# Altium PCB PCB3.PcbDoc
Units mil, origin at the board's own origin, x right, y up, seen from the top; angles counter-clockwise.
Board outline 1398.01 x 2435.01 mil, 2 copper layers (Top Layer, Bottom Layer); 64 components, 55 nets, 285 pads, 102 vias.
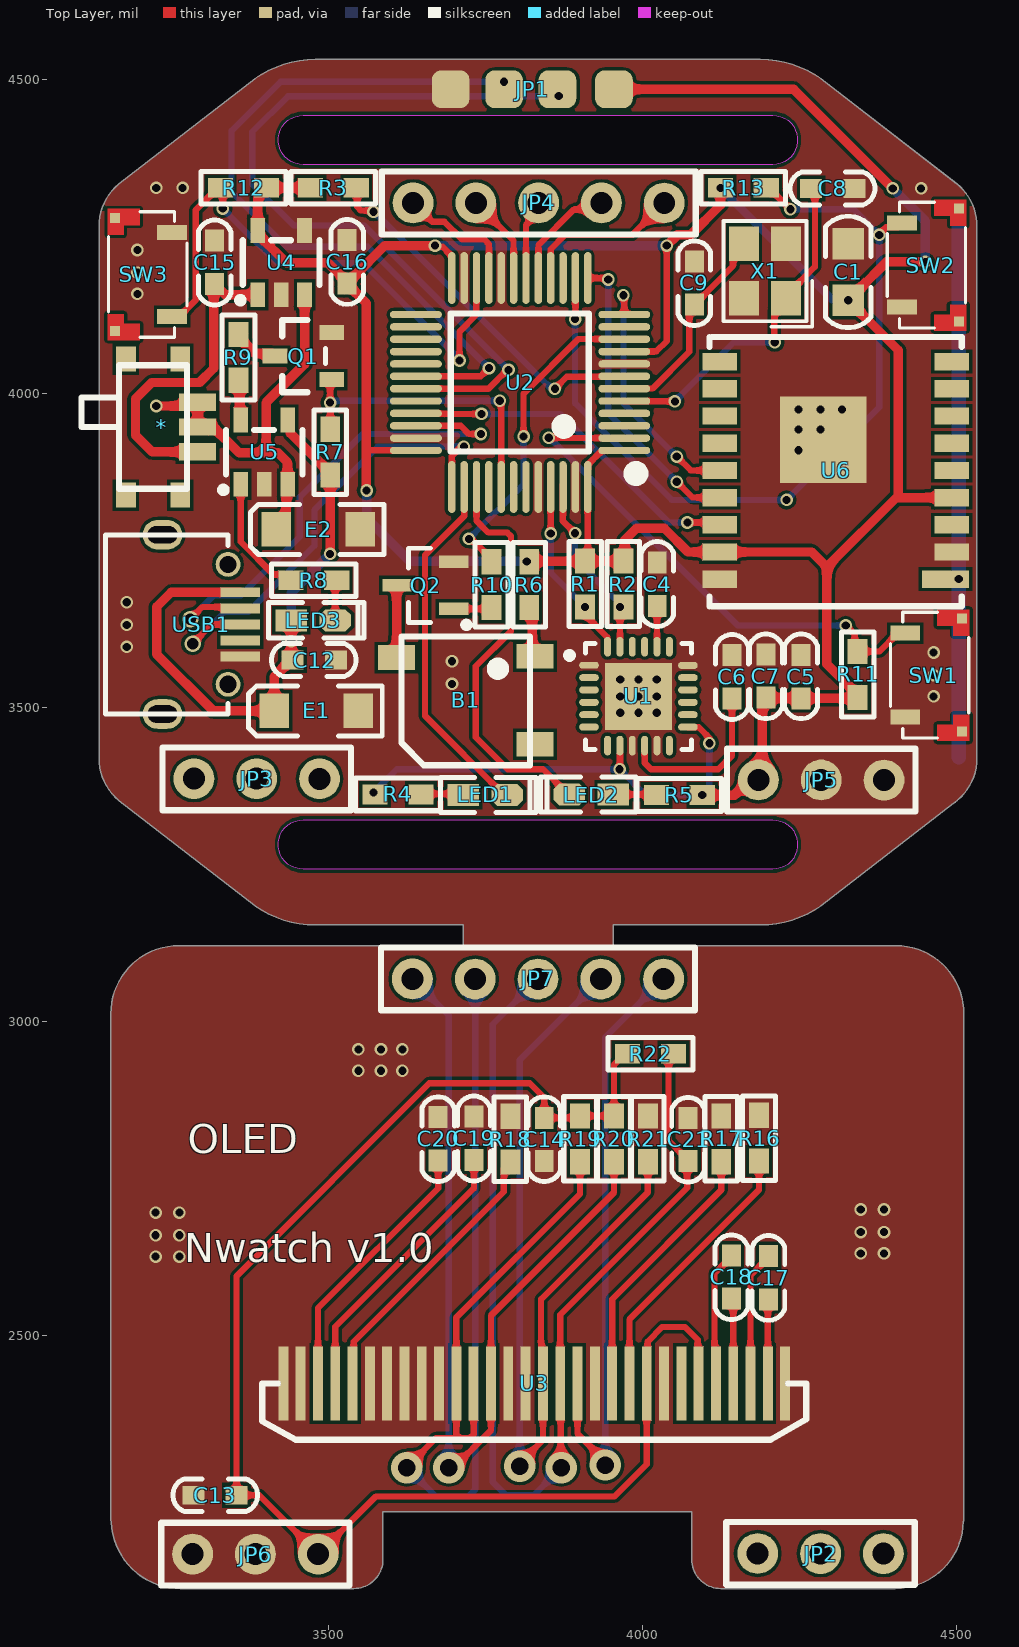
[diagram p0: Top Layer view]
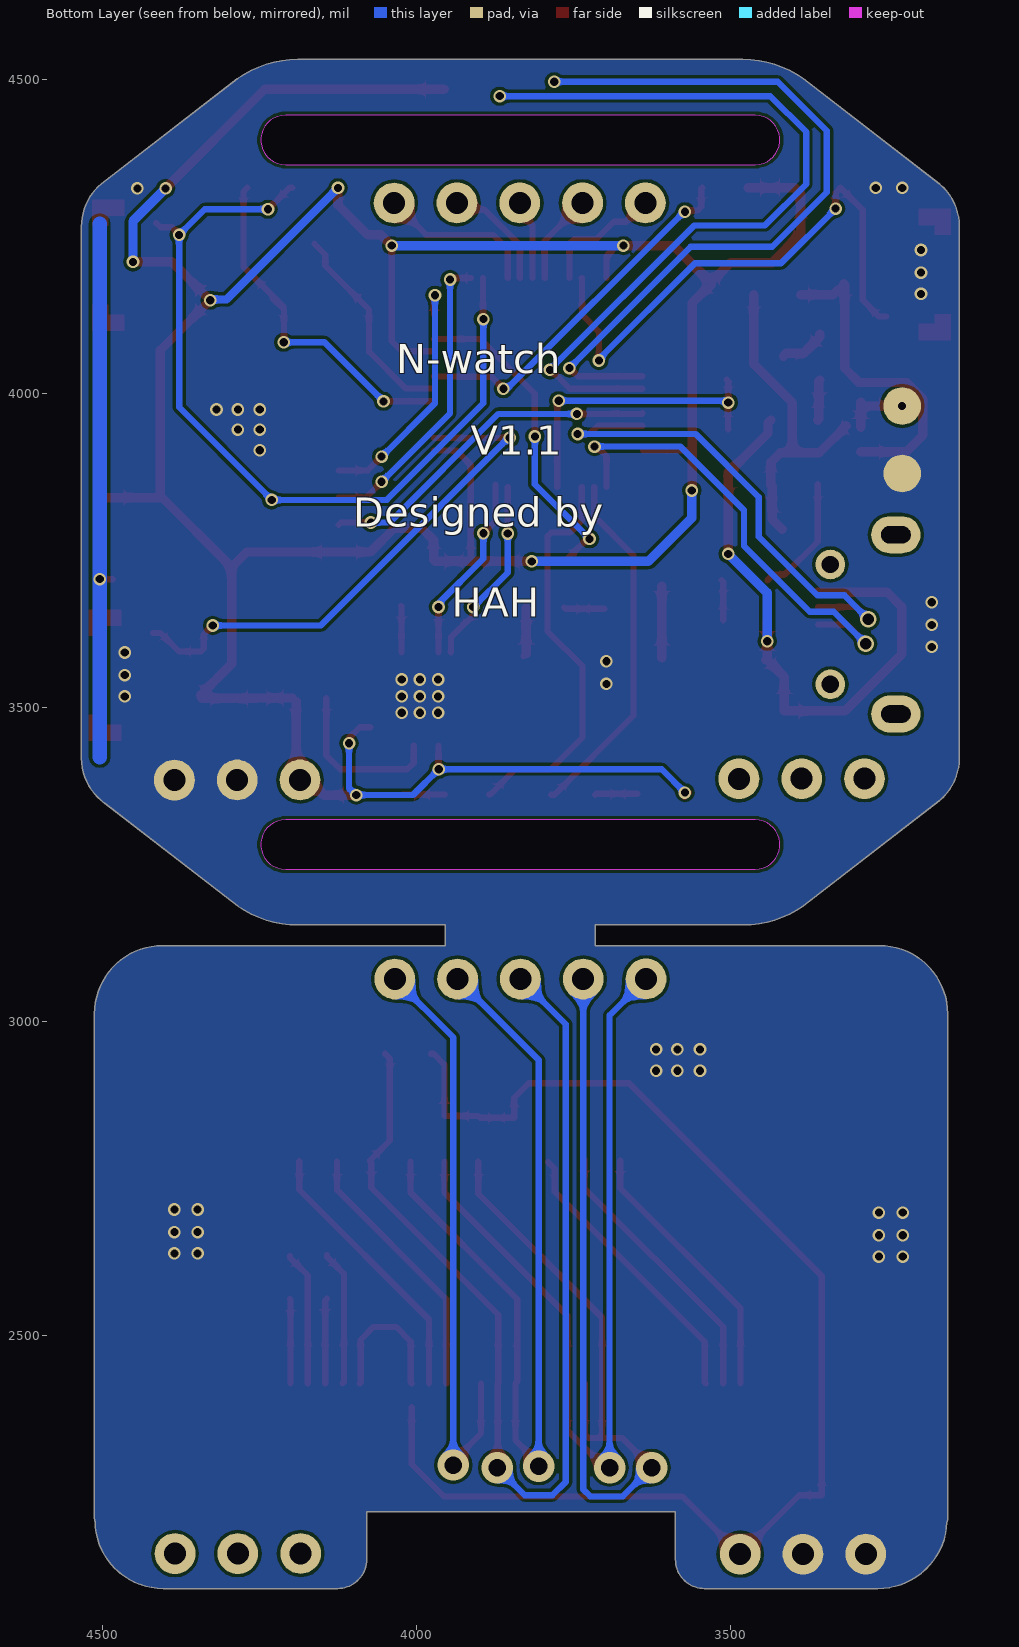
[diagram p1: Bottom Layer view, seen from below]
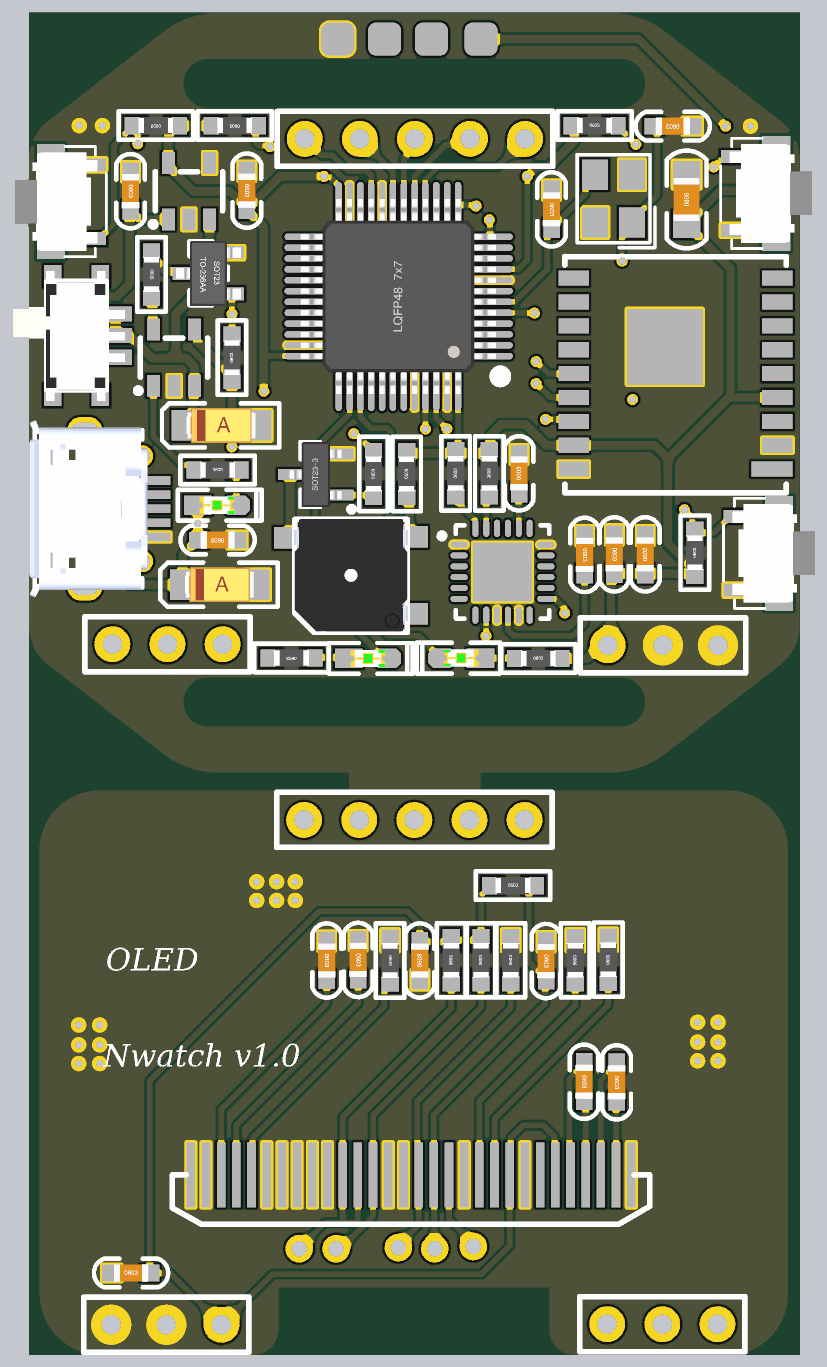
[diagram p2: 3D render of the assembled board from above, using the file's embedded part models]

## Layer stack, top to bottom
Top Solder: solder mask 0.4, Solder Resist, Dk 3.5
Top Layer: signal copper 1.4
Dielectric 1: dielectric 12.6, FR-4, Dk 4.8
Bottom Layer: signal copper 1.4
Bottom Solder: solder mask 0.4, Solder Resist, Dk 3.5

## Board outline
3154.67,2203.09 ccw(c3264.7,2207.5) 3264.7,2097.38 3540.91,2097.38 ccw(c3540.91,2143.57) 3587.1,2143.57 3587.1,2219.28 4078.85,2219.28 4078.85,2143.57 ccw(c4125.05,2143.57) 4125.05,2097.38 4402.93,2097.38 ccw(c4402.93,2205.83) 4511.37,2204.22 ccw(c4502.27,2208.43) 4512.3,2208.43 4512.3,3012.77 ccw(c4403.84,3012.77) 4403.84,3121.23 3954.01,3121.23 3954.01,3154.06 4188.31,3154.06 ccw(c4188.31,3321.57) 4284.39,3184.36 ccw(c4278.63,3192.57) 4284.75,3184.62 ccw(c4278.63,3192.57) 4284.75,3184.62 4284.77,3184.64 ccw(c4278.63,3192.57) 4284.77,3184.64 ccw(c4281.69,3188.6) 4284.78,3184.65 4284.79,3184.65 4495.86,3347.8 ccw(c4444.21,3420) 4501.02,3351.79 ccw(c4444.21,3420) 4501.02,3351.79 ccw(c4444.21,3420) 4501.07,3351.83 ccw(c4444.21,3420) 4501.14,3351.88 4501.07,3351.83 ccw(c4494.85,3359.7) 4501.53,3352.21 ccw(c4444.21,3420) 4532.98,3420 4532.98,4266.46 ccw(c4444.21,4266.46) 4501.27,4334.46 ccw(c4498.05,4330.62) 4501.13,4334.58 ccw(c4497.9,4330.74) 4500.98,4334.7 cw(c4494.83,4326.78) 4501.27,4334.46 4500.98,4334.7 ccw(c4497.9,4330.74) 4500.96,4334.71 ccw(c4497.88,4330.75) 4500.95,4334.72 4500.96,4334.71 ccw(c4497.9,4330.74) 4500.95,4334.72 ccw(c4497.88,4330.75) 4500.95,4334.72 4500.94,4334.72 cw(c4497.89,4330.74) 4500.95,4334.72 4500.94,4334.73 cw(c4497.89,4330.74) 4500.94,4334.72 4284.95,4501.68 4284.89,4501.72 4284.95,4501.68 ccw(c4278.63,4493.88) 4284.39,4502.1 ccw(c4188.31,4364.88) 4188.31,4532.39 3479.65,4532.39 ccw(c3479.65,4364.88) 3383.57,4502.1 ccw(c3389.32,4493.88) 3383.2,4501.83 ccw(c3389.32,4493.88) 3383.18,4501.81 ccw(c3389.32,4493.88) 3383.17,4501.8 3383.18,4501.81 cw(c3386.24,4497.84) 3383.2,4501.83 cw(c3386.26,4497.86) 3383.2,4501.83 ccw(c3386.26,4497.86) 3383.18,4501.81 3383.17,4501.8 3166.97,4334.7 ccw(c3170.03,4330.72) 3166.96,4334.69 3166.97,4334.7 3166.96,4334.69 ccw(c3173.1,4326.76) 3166.42,4334.24 cw(c3223.74,4266.46) 3166.46,4334.27 cw(c3223.74,4266.46) 3166.48,4334.29 3166.42,4334.24 ccw(c3223.74,4266.46) 3134.97,4266.46 3134.97,3420 ccw(c3223.74,3420) 3166.34,3352.28 ccw(c3173.11,3359.69) 3166.98,3351.75 ccw(c3170.04,3355.72) 3166.99,3351.74 3383.19,3184.63 3383.2,3184.62 ccw(c3389.33,3192.56) 3383.87,3184.15 ccw(c3479.65,3321.57) 3479.18,3154.07 ccw(c3479.67,3159.06) 3479.67,3154.04 3714.99,3154.04 3714.99,3121.23 3262.11,3121.23 ccw(c3262.11,3012.77) 3153.66,3012.77 3153.66,2207.5 ccw(c3163.68,2207.5)
cut-out: 3459.96,4364.88 cw(c3459.96,4404.25) 3459.96,4443.62 4207.99,4443.62 cw(c4207.99,4404.25) 4207.99,4364.88
cut-out: 3459.96,3242.83 cw(c3459.96,3282.2) 3459.96,3321.57 4207.99,3321.57 cw(c4207.99,3282.2) 4207.99,3242.83
cut-out: 3459.96,4443.62

## Design rules (kind name [scope] priority, off if disabled: settings)
Clearance [All] p1: gap=5 ignorepadtopadclearanceinfootprint=FALSE
HoleSize [All] p1: absolutevalues=TRUE maxlimit=100 minlimit=0 maxpercent=80.000 minpercent=20.000
HoleToHoleClearance [All] p1: gap=5 allowstackedmicrovias=TRUE
MinimumSolderMaskSliver [All] p1: minsoldermaskwidth=3
PlaneConnect [All] p1: planeconnectstyle=Direct reliefexpansion=20 reliefentries=4 reliefconductorwidth=10 reliefairgap=10
PolygonConnect [All] p1: connectstyle=Direct reliefconductorwidth=10 reliefentries=4 polygonreliefangle="90 Angle" airgapwidth=10
RoutingVias [All] p1: holewidth=13 width=20 viastyle="Through Hole" minholewidth=13 minwidth=20 maxholewidth=13 maxwidth=50
SilkToSilkClearance [All] p1: silktosilkclearance=0
SilkToSolderMaskClearance SilkToSolderMaskClearance_1 [IsPad] p1: minsilkscreentomaskgap=10 clearancetoexposedcopper=TRUE
SilkToSolderMaskClearance [IsPad] p2: minsilkscreentomaskgap=1 clearancetoexposedcopper=TRUE
SolderMaskExpansion [All] p1: expansion=4 istentingtop=FALSE
Width [All] p1: maxlimit=200 minlimit=10 preferedwidth=10
24 further rules are at their usual default settings.

## Classes and differential pairs
component class oled: C13 C14 C17 C18 C19 C20 C21 JP2 JP6 JP7 R16 R17 R18 R19 R20 R21 R22 U3
component class Sheet1: * B1 C1 C4 C5 C6 C7 C8 C9 C12 C15 C16 E1 E2 JP1 JP3 JP4 JP5 LED1 LED2 LED3 Q1 Q2 R1 R2 R3 R4 R5 R6 R7 R8 R9 R10 R11 R12 R13 SW1 SW2 SW3 U1 U2 U4 U5 U6 USB1 X1

## Components (designator, comment, footprint, x,y, rotation, side; value= is the part's Value field where it differs from the comment)
* "SS_12F23" SS_12F23 3221,3947 r270 top locked
B1 "DC5V" 蜂鸣器5020 3719,3511 r180 top locked
C1 "10uf" "C 0805" 4328,4194 r90 top locked
C4 "2.2nf" "C 0603" 4024,3697 r90 top locked
C5 "103" "C 0603" 4253,3550 r90 top locked
C6 "104" "C 0603" 4143,3549 r270 top locked
C7 "104" "C 0603" 4197,3550 r270 top locked
C8 "22pf" "C 0603" 4303,4327 r180 top locked
C9 "22pf" "C 0603" 4083,4176 r270 top locked
C12 "1uf" "C 0603" 3477,3576 r180 top locked
C13 "1uf" "C 0603" 3320,2246 r0 top locked
C14 "1uf" "C 0603" 3844,2813 r90 top locked
C15 "1uf" "C 0603" 3319,4209 r270 top locked
C16 "1uf" "C 0603" 3530,4210 r270 top locked
C17 "1uf" "C 0603" 4201,2592 r270 top locked
C18 "1uf" "C 0603" 4142,2593 r270 top locked
C19 "4.7uf" "C 0603" 3732,2814 r270 top locked
C20 "2.2uf" "C 0603" 3675,2813 r270 top locked
C21 "4.7uf" "C 0603" 4073,2812 r270 top locked
E1 "47uf" "CD A(3216)" 3481,3495 r0 top locked
E2 "10uF/6.3V" "CD A(3216)" 3484,3784 r0 top locked
JP1 "HDR-1X4" uart_pin 4015,4605 r180 top locked
JP2 "HDR-1X3" OLED_3PIN 4128.94,2088.15 r0 top locked
JP3 "HDR-1X3" OLED_3PIN 3541.06,3451.85 r180 top locked
JP4 "HDR-1X5" OLED_5PIN 4100.06,4368.85 r180 top locked
JP5 "HDR-1X3" OLED_3PIN 4440.06,3449.85 r180 top locked
JP6 "HDR-1X3" OLED_3PIN 3228.94,2087.15 r0 top locked
JP7 "HDR-1X5" OLED_5PIN 3568.94,3003.15 r0 top locked
LED1 "红色" "LED 0603G" 3750,3361 r0 top locked
LED2 "红色" "LED 0603G" 3919,3362 r180 top locked
LED3 "红色" "LED 0603G" 3476,3639 r0 top locked
Q1 "Nmos" NMOS 3460.28,4060 r0 top locked
Q2 "BC817-40npn" SOT23-3N 3655,3695 r90 top locked
R1 "2.2K" "R 0603" 3909,3697 r90 top locked
R2 "2.2K" "R 0603" 3970,3697 r90 top locked
R3 "1K" "R 0603" 3508,4328 r180 top locked
R4 "10K" "R 0603" 3611,3362 r180 top locked
R5 "10K" "R 0603" 4059,3361 r0 top locked
R6 "22" "R 0603" 3820,3696 r90 top locked
R7 "4.7K" "R 0603" 3503,3907 r90 top locked
R8 "1K" "R 0603" 3477,3703 r0 top locked
R9 "2K" "R 0603" 3357,4058 r270 top locked
R10 "1K" "R 0603" 3760,3696 r90 top locked
R11 "1K" "R 0603" 4343,3553 r90 top locked
R12 "1K" "R 0603" 3365,4328 r180 top locked
R13 "1K" "R 0603" 4161,4328 r0 top locked
R16 "4.7K" "R 0603" 4186,2814.5 r90 top locked
R17 "4.7K" "R 0603" 4126,2813.5 r90 top locked
R18 "910K" "R 0603" 3790,2813 r270 top locked
R19 "1K" "R 0603" 3901,2813.5 r90 top locked
R20 "1K" "R 0603" 3955,2813.5 r90 top locked
R21 "1K" "R 0603" 4009,2813.5 r90 top locked
R22 "1K" "R 0603" 4013,2949 r0 top locked
SW1 "3x6x5" SB-2*4*3.5 4470,3552 r270 top locked
SW2 "3x6x5" SB-2*4*3.5 4465,4205 r270 top locked
SW3 "3x6x5" SB-2*4*3.5 3200,4190 r90 top locked
U1 "MPU-6050_C24112" MPU6050 3989.02,3517.91 r270 top locked
U2 "STM32F103C8T6" "LQFP48 7X7_M" 3805,4018 r90 top locked
U3 "0.96-OLED-30Pin_JX" SSD1306-30PIN_JX 4227.56,2424.15 r180 top locked
U4 "TPS78233DDCT" SOT-23-5_L3.0-W1.7-P0.95-LS2.8-BR 3423,4209 r270 top locked
U5 "XT4054K421MR-G" SOT-23-5_L3.0-W1.7-P0.95-LS2.8-BR 3396,3907 r270 top locked
U6 "ESP01F" ESP-01F 4308,3825 r180 top locked
USB1 "USB-5P" MICRO-USB 3340.33,3632.72 r90 top locked
X1 "8M" OSC-SMD_4P-L3.2-W2.5-BL 4200,4191 r90 bottom locked

## Footprints (in the part's own frame and the unit in brackets; to place one, negate y for a bottom-side part, rotate by r counter-clockwise, add the part's x,y. Pads: shape width x height; smd on the part's side, far side on the other; paste and mask are expansions set on the pad)
"C 0603" [mil] "无极性贴片电容"
  rect 35x30 smd: 1(-35,0) 2(34,0)
  silkscreen extent -67,-26 67,26, body extent -31,-16 31,16, height 32
"C 0805" [mil] "无极性贴片电容"
  rect 50x50 smd: 1(-45,0) 2(45,0)
  silkscreen extent -89,-36 89,36, body extent -39,-24 39,24, height 20
"CD A(3216)" [mm] "长3.2mm，宽1.6mm，厚1.6mm"
  rect 1.2x1.4 smd: 1(-1.7,0) 2(1.7,0)
  silkscreen extent -2.74,-1.02 2.67,1.02, body extent -1.6,-0.8 1.6,0.8, height 1.6
ESP-01F [mm]
  rect 1.9x0.7 smd: 1(-4.445,3.054)
  rect 1.4x0.7 smd: 2(-4.695,1.954) 3(-4.695,0.854) 4(-4.695,-0.246) 5(-4.695,-1.346) 6(-4.695,-2.446) 7(-4.695,-3.546) 8(-4.695,-4.646) 9(-4.695,-5.746) 10(4.695,-5.746) 11(4.695,-4.646) 12(4.695,-3.546) 13(4.695,-2.446) 14(4.695,-1.346) 15(4.695,-0.246) 16(4.695,0.854) 17(4.695,1.954) 18(4.695,3.054)
  rect 3.5x3.5 smd: 19(0.493,-2.579)
  silkscreen extent -5.1,-6.75 5.1,4.15
"LED 0603G" [mil] "绿色0603LED"
  rect 50x35 smd: 1(-35,0.26)
  oct 50x35 smd: 2(35,0.26)
  silkscreen extent -71,-28 81,28, body extent -31,-16 32,16, height 24
"LQFP48 7X7_M" [mm] "48脚，体宽7x7mm，脚距0.5mm"
  oval 0.3x2.1 smd: 1(-2.75,-4.227) 2(-2.25,-4.227) 3(-1.75,-4.227) 4(-1.25,-4.227) 5(-0.75,-4.227) 6(-0.25,-4.227) 7(0.25,-4.227) 8(0.75,-4.227) 9(1.25,-4.227) 10(1.75,-4.227) 11(2.25,-4.227) 12(2.75,-4.227) 25(2.75,4.202) 26(2.25,4.202) 27(1.75,4.202) 28(1.25,4.202) 29(0.75,4.202) 30(0.25,4.202) 31(-0.25,4.202) 32(-0.75,4.202) 33(-1.25,4.202) 34(-1.75,4.202) 35(-2.25,4.202) 36(-2.75,4.202)
  oval 2.1x0.3 smd: 13(4.227,-2.75) 14(4.227,-2.25) 15(4.227,-1.75) 16(4.227,-1.25) 17(4.227,-0.75) 18(4.227,-0.25) 19(4.227,0.25) 20(4.227,0.75) 21(4.227,1.25) 22(4.227,1.75) 23(4.227,2.25) 24(4.227,2.75) 37(-4.227,2.75) 38(-4.227,2.25) 39(-4.227,1.75) 40(-4.227,1.25) 41(-4.227,0.75) 42(-4.227,0.25) 43(-4.227,-0.25) 44(-4.227,-0.75) 45(-4.227,-1.25) 46(-4.227,-1.75) 47(-4.227,-2.25) 48(-4.227,-2.75)
  silkscreen extent -3.93,-4.95 2.79,2.79, body extent -4.5,-4.5 4.5,4.5, height 1.45
MICRO-USB [mm]
  rect 0.4x1.6 smd: 1(1.3,-0.5) 2(0.65,-0.5) 3(0,-0.5) 4(-0.65,-0.5) 5(-1.3,-0.5)
  oval 1.2x1.6 / inner oval 1.5x2 / far side oval 1.5x2 hole 0.7 slot 1.2 at 90 deg: 6(-3.625,2.65) 6(3.625,2.65)
  round 1 / inner round 1 / far side round 1.2 hole 0.7: 6(-2.425,0) 6(2.425,0)
  silkscreen extent -3.62,0 3.62,4.95, body extent -4.1,-0.23 4.1,5.2, height 2.68
MPU6050 [mm]
  oval 0.28x0.796 smd: 1(-1.265,-1.873) 2(-0.765,-1.873) 3(-0.265,-1.873) 4(0.235,-1.873) 5(0.735,-1.873) 6(1.235,-1.873) 13(1.235,2.127) 14(0.735,2.127) 15(0.235,2.127) 16(-0.265,2.127) 17(-0.765,2.127) 18(-1.257,2.127)
  oval 0.796x0.28 smd: 7(1.985,-1.123) 8(1.985,-0.623) 9(1.985,-0.123) 10(1.985,0.377) 11(1.985,0.877) 12(1.985,1.377) 19(-2.015,1.377) 20(-2.015,0.877) 21(-2.015,0.377) 22(-2.015,-0.123) 23(-2.015,-0.623) 24(-2.015,-1.123)
  rect 2.7x2.7 smd: 25(-0.002,0.127)
  silkscreen extent -2.15,-2.92 2.15,2.28
NMOS [mm]
  rect 1x0.6 smd: 1(1.15,-0.95) 2(1.15,0.95) 3(-1.15,0)
  silkscreen extent -0.85,-1.46 0.9,1.46, body extent -1.5,-1.5 1.5,1.5, height 1.3
OLED_3PIN [mil]
  round 65 hole 35: 1(55,65) 2(155.06,64.85) 3(255.06,64.85)
  silkscreen extent 5,15 305,115
OLED_5PIN [mil]
  round 65 hole 35: 1(65,65) 2(165.06,64.85) 3(265.06,64.85) 4(365.06,64.85) 5(465.06,64.85)
  silkscreen extent 15,15 515,115
OSC-SMD_4P-L3.2-W2.5-BL [mm]
  rect 1.4x1.2 smd far side: 1(-0.986,0.736) 2(1.214,0.736) 3(1.214,-0.964) 4(-0.986,-0.964)
"R 0603" [mil] "1/10W贴片电阻"
  rect 40x31.5 smd: 1(-36.5,0) 2(36.5,0)
  silkscreen extent -68,-26 68,26, body extent -31,-16 32,16, height 16
SB-2*4*3.5 [mm] "贴片侧贴轻触开关"
  rect 0.4x0.4 smd: 0(-2.286,1) 0(2.286,1)
  rect 0.6x1.2 smd: 1(-1.7,-1.3) 2(1.7,-1.3)
  Top Layer region: -2.65,0 -2.65,1.3 -1.6,1.3 -1.6,0.65 -2,0.65 -2,0
  Top Layer region: 2.65,0 2.65,1.3 1.6,1.3 1.6,0.65 2,0.65 2,0
  silkscreen extent -2.54,-1.9 2.54,1.27, body extent -2.27,-1.5 2.27,2.29, height 1.8
SOT23-3N [mm] "3x1.3x1mm(长宽高)"
  rect 0.5x1.2 smd: 1(-0.95,-1.143) 2(0.95,-1.143) 3(0,1.143)
  silkscreen extent -1.72,-1.78 1.5,0.7, body extent -1.5,-1.2 1.5,1.2, height 1.05
SOT-23-5_L3.0-W1.7-P0.95-LS2.8-BR [mm]
  rect 1x0.6 smd: 1(1.3,-0.899) 2(1.3,0.05) 3(1.3,1) 4(-1.3,1.001) 5(-1.3,-0.899)
  silkscreen extent -0.9,-1.73 1.65,1.6
SS_12F23 [mm] "七脚小拨动开关"
  rect 1x0.8 smd: 0(-2.75,1.1) 0(-2.75,-1.1) 0(2.75,1.1) 0(2.75,-1.1)
  rect 0.7x1.5 smd: 1(1,1.8) 2(0,1.8) 3(-1,1.8)
  silkscreen extent -2.5,-2.9 2.5,1.38, body extent -2.97,-2.96 3.03,2.24, height 1.4
SSD1306-30PIN_JX [mm]
  rect 0.4x3 smd: 1(-0.002,0.004) 2(0.699,0.004) 3(1.398,0.004) 4(2.099,0.004) 5(2.798,0.004) 6(3.498,0.004) 7(4.199,0.004) 8(4.898,0.004) 9(5.598,0.004) 10(6.299,0.004) 11(6.998,0.004) 12(7.698,0.004) 13(8.399,0.004) 14(9.098,0.004) 15(9.798,0.004) 16(10.499,0.004) 17(11.198,0.004) 18(11.898,0.004) 19(12.599,0.004) 20(13.298,0.004) 21(13.998,0.004) 22(14.698,0.004) 23(15.398,0.004) 24(16.098,0.004) 25(16.799,0.004) 26(17.498,0.004) 27(18.198,0.004) 28(18.899,0.004) 29(19.598,0.004) 30(20.298,0.004)
  silkscreen extent -0.85,0 21.15,2.29
uart_pin [mil]
  rrect50% 60x60 smd: 1(60,120) 2(150,120) 3(235,120) 4(320,120)
蜂鸣器5020 [mm] "无源蜂鸣器"
  rect 1.5x1 smd: 1(-2.8,-1.8) 2(2.8,-1.75) 3(-2.8,1.75)
  silkscreen extent -2.6,-2.6 2.6,2.6, body extent -2.6,-2.63 2.6,2.57, height 2

## Part data
B1: library part BEEP, "蜂鸣器", BOM名称=蜂鸣器, 学习资源=https://lmdzstyle.taobao.com/, 版权归属=黎明电子style
C1 C4 C5 C6 C7 C8 C9 C12 C13 C14 C15 C16 C17 C18 C19 C20 C21: library part C, "无极性贴片电容", BOM名称=无极性贴片电容, 学习资源=https://lmdzstyle.taobao.com/, 版权归属=黎明电子style
E1 E2: library part C-CD, "贴片钽电容", BOM名称=贴片钽电容, 学习资源=https://lmdzstyle.taobao.com/, 版权归属=黎明电子style
JP1: library part "Header 4", "4P接插件", BOM名称=4P接插件, 学习资源=https://lmdzstyle.taobao.com/, 版权归属=黎明电子style
JP2 JP3 JP5 JP6: library part "Header 3", "3P接插件", BOM名称=3P接插件, 学习资源=https://lmdzstyle.taobao.com/, 版权归属=黎明电子style
JP4 JP7: library part "Header 5", "5P接插件", BOM名称=5P接插件, 学习资源=https://lmdzstyle.taobao.com/, 版权归属=黎明电子style
LED1 LED2 LED3: library part LED-SMD, "贴片LED", BOM名称=贴片LED, 学习资源=https://lmdzstyle.taobao.com/, 版权归属=黎明电子style
Q1: library part 9013-SMD, "低频放大-NPN型", BOM名称=低频放大-NPN型, 学习资源=https://lmdzstyle.taobao.com/, 属性="50V 0.5A 0.625W", 版权归属=黎明电子style
Q2: library part 8050-SMD, "高频放大-NPN型", BOM名称=高频放大-NPN型, 学习资源=https://lmdzstyle.taobao.com/, 属性="40V 1.5A 1W 100MHZ", 版权归属=黎明电子style
R1 R2 R3 R4 R5 R6 R7 R8 R9 R10 R11 R12 R13 R16 R17 R18 R19 R20 R21 R22: library part R, "贴片电阻", BOM名称=贴片电阻, 学习资源=https://lmdzstyle.taobao.com/, 版权归属=黎明电子style
SW1 SW2 SW3: library part "TSW 3x6", "3x6轻触开关", BOM名称=3x6轻触开关, 学习资源=https://lmdzstyle.taobao.com/, 版权归属=黎明电子style
U1: BOM_Manufacturer=InvenSense, BOM_Manufacturer Part=MPU-6050, BOM_Supplier=LCSC, BOM_Supplier Part=C24112, image=//image.lceda.cn/szlcsc/C24112.jpg, sourceId=1T5FDZYC8, spicePre=U, spiceSymbolName=MPU-6050_C24112, timeStamp=1462265206
U2: "Flaah:64/RAM:20/IO:36", BOM名称=32位STM单片机, 学习资源=https://lmdzstyle.taobao.com/, 版权归属=黎明电子style
USB1: "微型USB母座", BOM名称=微型USB母座, 学习资源=https://lmdzstyle.taobao.com/, 版权归属=黎明电子style
X1: library part XTAL-4, "4脚晶振", BOM名称=4脚晶振, 学习资源=www.ooocke.com, 版权归属=源创客
U3: BOM_Supplier=LCSC, spicePre=U

## Free pads (board coordinates)
  round 60 smd far side: 2(3226.09,3980.59) 3(3226,3873)

## Via types
v1: diameter 20, hole 13, Top Layer to Bottom Layer, 95 vias
v2: diameter 50, hole 28, Top Layer to Bottom Layer, 5 vias
v3: diameter 25.98, hole 17.99, Top Layer to Bottom Layer, 2 vias

## Nets (pads, with @x,y where several pads share a name; then routed paths per layer and width w, separated by ;. In a path a pad name is that pad's centre, name@x,y a point inside that pad or via, vN(x,y) a via of type N, cw(c..) or ccw(c..) an arc to the next point about the centre after c; other vN are vias at no path point)
3V3_A: C1.1 C5.1 C7.2 C16.2 JP1.1 JP5.3 R1.2 R2.2 R3.2 R4.2 R5.2 R6.2 R11.1 R12.1 R13.1 U1.8 U1.13 U2.1 U2.9 U2.24 U2.36 U2.48 U4.5 U6.4 U6.17 | length 5834.7
  Top Layer w10: 3560.52,3910.08 U2.36@3638.74,3910.08 ; v1(3670,4236) 3671.91,4234.09 3682.01,4234.09 3696.73,4219.36 U2.24 ; R1.2 3913.27,3737.77 U2.48 3913.27,3887.02 3935.98,3909.73 U2.1 ; v1(3964,3402) 3964.47,3402.47 U1.8 ; U2.9 3971.76,4067.56 4022.62,4067.56 4039,4083.94 v1(4039,4236) ; U1.13 4072.93,3469.09 4089.91,3469.09 4106.91,3452.09 v1(4106.91,3443.5) ; 4124.5,4301.5 4125,4301 ; R13.1@4124.5,4323.75 v1(4124.5,4328)
  Top Layer w13: v1(3572,3365) 3567.5,3365 3572.5,3360 R4.2 ; JP5.3@4170.93,3385 JP5.3 JP5.3@4191,3391 ; C7.2@4191,3510 C7.2 C7.2@4197.5,3515.5 ; C5.1@4252.5,3515.5 C5.1 ; R11.1@4341.5,3515 R11.1 R11.1@4343,3520.75
  Top Layer w15: R3.2 R12.1 3397.25,4328 3387.59,4318.35 U4.5 3387.59,4252.31 3392.91,4247 3395,4247 3433,4209 3499,4209 3522,4186 3522.5,4186 C16.2@3530,4178.5 ; C16.2@3530,4173.5 3537.5,4166 3539,4166 3560.52,4144.48 3560.52,3910.08 3560.52,3846.48 v1(3561,3846) ; C16.2 C16.2@3530,4178.5 ; v1(3670,4236) 3590,4236 3540,4186 3537.5,4186 C16.2@3530,4178.5 ; v1(3816,3733) 3819.5,3733 R6.2 3821,3733.5 R1.2 R2.2 3972.21,3735.71 3972.21,3767.21 3991,3786 4035,3786 4072.93,3748.07 U6.17 4269.93,3748.07 4289,3729 4294,3724 ; JP1.1 4241,4485 v1(4399,4327) ; v1(4039,4236) 4056,4253 4077,4253 4125,4301 ; v1(4095.5,3361) 4146.93,3361 JP5.3@4170.93,3385 ; 4124.5,4301.5 R13.1@4124.5,4323.75 ; JP5.3@4191,3391 C7.2@4191,3510 ; C7.2@4197.5,3515.5 C5.1@4252.5,3515.5 ; C5.1 R11.1@4341.5,3515 ; R11.1@4343,3520.75 4294,3569.75 4294,3724 ; 4407.69,3837.69 4294,3724 ; v1(4451,4210) 4389,4210 4345.5,4166.5 v1(4328,4149) 4407.69,4069.31 4407.69,3834.69 U6.4
  Bottom Layer w10: v1(3572,3365) 3609,3402 v1(3964,3402) 4005,3361 4096.06,3361 4106.91,3371.86 v1(4106.91,3443.5)
  Bottom Layer w13: v1(4124.5,4328) 4302.16,4150.34 4326.66,4150.34 v1(4328,4149)
  Bottom Layer w15: v1(3561,3846) 3561,3802.25 3630.25,3733 v1(3816,3733) ; v1(3670,4236) v1(4039,4236) ; v1(4399,4327) 4451,4275 v1(4451,4210)
3V3_A2: C13.2 C14.2 JP6.3 R19.2 R20.2 R22.1 U3.6 U3.9 | length 2307.9
  Top Layer w10: R22.1 3972.25,2949 3955,2931.75 R20.2 R19.2 3898,2847 C14.2 3844,2879 3821,2902 3661,2902 3354,2595 C13.2 3390,2246 JP6.3 3576,2244 3956,2244 4007.15,2295.15 U3.9@4007.15,2386 ; U3.9 4008.65,2425.5 4008.65,2490.65 4032,2514 4068,2514 4088.34,2493.66 4088.34,2425.49 U3.6
BUZZER: R10.2 U2.10 | length 517.3
  Top Layer w10: v1(3724,3769) 3727.75,3769 3760,3736.75 R10.2 ; v1(3811,3932) 3811,4000 3898.24,4087.24 3971.07,4087.24 U2.10
  Bottom Layer w10: v1(3724,3769) 3811,3856 v1(3811,3932)
CHARGE_EN: Q1.1 R7.2 U2.41 | length 491.1
  Top Layer w10: R7.2 3503.29,3943.79 3503.29,3985.71 v1(3503,3986) 3503,4017.47 3503.29,4017.76 3502,4019.05 Q1.1 ; v1(3773,3989) 3775.47,3986.53 U2.41
  Bottom Layer w10: v1(3503,3986) 3506,3989 v1(3773,3989)
CS: JP4.5 U2.21 | length 202
  Top Layer w10: JP4.5 3635.54,4304 3665.57,4273.97 3685.03,4273.97 3713,4246 3748.29,4246 3755.79,4238.5 U2.21
D0: JP4.1 U2.16 | length 257.1
  Top Layer w10: U2.16 3854.21,4230.21 3877,4253 3984.21,4253 JP4.1
D1: JP4.2 U2.17 | length 180.7
  Top Layer w10: U2.17 3834.87,4184.76 3834.87,4237.09 3891.26,4293.48 3924.48,4293.48 JP4.2
DC: JP4.4 U2.19 | length 144.5
  Top Layer w10: JP4.4 3795.16,4243.84 U2.19
ESP_RST: U2.33 U6.16 | length 557.2
  Top Layer w10: U2.33 3639.8,3969 3640.8,3968 v1(3744,3968) ; v1(4072,3795) 4119.54,3795 U6.16
  Bottom Layer w10: v1(3744,3968) 3869,3968 4042,3795 v1(4072,3795)
ESP_RXD: U2.13 U6.15 | length 479.5
  Top Layer w10: U2.13 3943.58,4184.42 v1(3946,4182) ; v1(4055,3860) 4080.31,3834.69 U6.15
  Bottom Layer w10: v1(3946,4182) 3946,3969 v1(4055,3860)
ESP_TXD: U2.12 U6.14 | length 400.8
  Top Layer w10: v1(3970,4157) 3971.42,4155.58 U2.12 ; v1(4055,3900) 4077.01,3877.99 U6.14
  Bottom Layer w10: v1(3970,4157) 3970,3985 v1(4055,3900)
GND: C1.2 C4.2 C5.2 C6.1 C7.1 C8.1 C9.1 C12.1 C13.1 C14.1 C15.1 C16.1 C19.1 C20.1 C21.1 E1.2 E2.2 JP1.4 JP5.1 JP5.2 JP6.1 JP6.2 pad.3 Q1.2 Q2.2 R16.2 R17.2 R18.1 R21.2 SW1.2 SW2.2 SW3.2 U1.1 U1.9 U1.11 U1.18 U1.25 U2.8 U2.20 U2.23 U2.35 U2.44 U2.47 U3.1 U3.8 U3.12 U3.16 U3.17 U3.21 U3.22 U3.23 U3.24 U3.25 U3.29 U3.30 U4.2 U4.4 U5.2 U6.2 U6.18 U6.19 USB1.5 X1.2 X1.4
  other v1: 3225,2626 3263,2626 4348,2631 4385,2631 3225,2660 3263,2660 4348,2665 4385,2665 3225,2696 3263,2696 4348,2701 4385,2701 3548,2922 3584,2922 3618,2922 3548,2956 3584,2956 3618,2956 3965,3492 3994,3492 4023,3492 3965,3518 3994,3518 4023,3518 4464,3518 3697,3538 3965,3545 3994,3545 4023,3545 4464,3552 3697,3574 4464,3588 3179,3597 3179,3632 3179,3668 4249,3910 4249,3943 4284,3943 4249,3975 4284,3975 4318,3975 3196,4159 3196,4193 3196,4229 4444,4327 3226,4328 3268,4328
KEY1: R11.2 SW1.1 U2.2 | length 854.9
  Top Layer w10: v1(3851,3930) 3851.29,3929.71 3971.13,3929.71 U2.2 ; v1(4324,3631) 4338.36,3616.64 4338.36,3594.14 R11.2 4377.58,3589.5 4407.01,3618.93 SW1.1
  Bottom Layer w10: v1(3851,3930) 3853,3930 4152,3631 v1(4324,3631)
KEY2: R13.2 SW2.1 U2.14 | length 1339.5
  Top Layer w10: v1(3893,4119) 3893.58,4119.58 U2.14 ; R13.2 4201.75,4328 4235.75,4294 v1(4236,4294) ; v1(4377.5,4253) 4377.5,4254.26 4388.36,4265.12 4407.01,4265.12 SW2.1
  Bottom Layer w10: v1(3893,4119) 3893,3985 4047,3831 v1(4230,3831) 4377.5,3978.5 v1(4377.5,4253) 4336.5,4294 v1(4236,4294)
KEY3: R12.2 SW3.1 U2.22 | length 899.4
  Top Layer w10: SW3.1 3262.99,4123.07 3269.8,4129.88 3269.8,4130.18 3289,4149.38 3289,4292.75 3324.25,4328 3332,4320.25 v1(3332,4295) ; v1(3709,4053) 3709,4099 3735.76,4125.76 3735.76,4184.07 U2.22
  Bottom Layer w10: v1(3332,4295) 3419,4208 3556,4208 3709,4055 v1(3709,4053)
LEDBULE: LED1.2 U2.38 | length 573.5
  Top Layer w10: U2.38 3716.42,3805.42 3654,3743 3654,3487 3779.74,3361.26 LED1.2
LEDRED: LED2.2 U2.39 | length 649
  Top Layer w10: U2.39 3736.1,3797.9 3755,3779 3785.14,3779 3791,3773.14 3791,3622 3735,3566 3735,3453 3786,3402 3842.06,3402 3882.32,3361.74 LED2.2
Net*_1: *.1 C15.2 U4.1 | length 522.2
  Top Layer w15: *.1 3219.37,3907.63 3193,3934 3193,3992 3219,4018 3295,4018 3317.59,4040.59 3317.59,4173.59 C15.2 ; C15.2@3319,4172.5 3326.5,4165 3329,4165 3336.18,4157.82 U4.1
NetB1_1: B1.1 R6.1 | length 79.4
  Top Layer w10: B1.1@3825,3586.1 B1.1
  Top Layer w15: B1.1@3825,3586.1 R6.1@3825,3659.5
NetB1_2: B1.2 Q2.3 | length 115.6
  Top Layer w10: Q2.3@3608.76,3693.76 Q2.3
  Top Layer w15: B1.2 Q2.3@3608.76,3693.76
NetC4_1: C4.1 U1.20 | length 74
  Top Layer w10: U1.20@4023.53,3588.24 4023.53,3661.53 C4.1
NetC6_2: C6.2 U1.10 | length 271.1
  Top Layer w10: U1.10 4004.04,3439.56 4004.04,3411.96 4014,3402 4121,3402 4143,3424 C6.2
NetC8_2: C8.2 U2.5 X1.1 | length 576.7
  Top Layer w10: U2.5 3971.89,3988 v1(4052,3988) ; X1.1@4210.34,4137.51 4227,4154.16 4275,4202.17 4275,4322 C8.2@4269,4328 ; v1(4211,4082) 4210.34,4082.66 4210.34,4133.57 X1.1
  Bottom Layer w10: v1(4052,3988) 4146,4082 v1(4211,4082)
NetC9_2: C9.2 U2.6 X1.3 | length 337.3
  Top Layer w10: U2.6 3971.76,4008.5 4016.5,4008.5 4075,4067 4075,4134 4092.94,4151.94 4092.94,4154.44 4093,4154.5 4095.5,4154.5 4144.72,4203.72 4144.72,4221.5 X1.3
NetC17_1: C17.1 U3.3 | length 214.8
  Top Layer w10: U3.3 4172.51,2596.01 4201,2624.5 C17.1
NetC17_2: C17.2 U3.2 | length 134.4
  Top Layer w10: U3.2 4200.06,2557.06 C17.2
NetC18_1: C18.1 U3.5 | length 216.2
  Top Layer w10: U3.5 4115,2426.39 4115,2598.5 4142,2625.5 C18.1
NetC18_2: C18.2 U3.4 | length 136.2
  Top Layer w10: C18.2 4144.94,2556.06 U3.4
NetC19_2: C19.2 U3.27 | length 447.5
  Top Layer w10: U3.27 3511.09,2514.09 3732,2735 C19.2
NetC20_2: C20.2 U3.28 | length 434.3
  Top Layer w10: U3.28 3483.52,2543.52 3675,2735 C20.2
NetC21_2: C21.2 JP7.3 R22.2 U3.14 | length 1726.7
  Top Layer w10: v2(3871,2290) 3870.18,2290.82 3870.18,2423.18 U3.14 3869.36,2533.36 4071.5,2735.5 4071.5,2775.5 4073,2777 4073,2779.5 4042,2810.5 4042,2941.5 R22.2
  Bottom Layer w10: JP7.3 3762,2996 3762,2267 3783,2246 3827,2246 v2(3871,2290)
NetJP7_1: JP7.1 R20.1 U3.18 | length 1411.5
  Top Layer w10: v2(3692,2290) 3699.76,2290 3759.12,2349.36 U3.18 3759.12,2532.12 3955,2728 R20.1
  Bottom Layer w10: JP7.1 3692,3010.09 v2(3692,2290) 3698,2290 v2@3700,2292
NetJP7_2: JP7.2 R19.1 U3.19 U3.20 | length 1682.5
  Top Layer w10: v2(3625,2290) 3672.14,2337.14 3709.86,2337.14 ; U3.19 3731.55,2343 3725.69,2337.14 3709.86,2337.14 ; JP7.2@3731.55,3065.55 JP7.2 ; R19.1 3901,2726 3704,2529 U3.20 3704,2343 3709.86,2337.14
  Bottom Layer w10: v2(3625,2290) 3671,2244 3723,2244 3734,2255 JP7.2
NetJP7_4: JP7.4 R21.1 U3.15 | length 1401.3
  Top Layer w10: v2(3805,2292) 3805,2297 3841.8,2333.8 U3.15 3838.93,2426.87 3838.93,2557.93 4009,2728 R21.1
  Bottom Layer w10: v2(3805,2292) 3805,2939 JP7.4
NetJP7_5: JP7.5 U3.13 | length 960.8
  Top Layer w10: U3.13 3896.91,2344.09 3941,2300 v2(3941,2294)
  Bottom Layer w10: v2(3941,2294) 3941,2975 JP7.5
NetLED1_1: LED1.1 R4.1 | length 68.2
  Top Layer w10: R4.1@3647.5,3363 3713.26,3363 LED1.1
NetLED2_1: LED2.1 R5.1 | length 68.8
  Top Layer w10: LED2.1 4021.76,3361.74 R5.1
NetLED3_2: LED3.2 R8.2 | length 64.8
  Top Layer w10: LED3.2 3511,3700.5 R8.2
NetQ1_2: Q1.3 R9.1 | length 74.8
  Top Layer w15: R9.1 3357,4090.25 3382.94,4064.31 3410.69,4064.31 Q1.3
NetQ2_1: Q2.1 R10.1 | length 64.8
  Top Layer w10: Q2.1 3762.1,3657.6 R10.1@3764,3659.5
NetR3_1: R3.1 U2.7 | length 584.5
  Top Layer w10: R3.1 3546,4326.5 3546,4297.77 3551.86,4291.91 3570.1,4291.91 v1(3572.02,4290) ; v1(3861,4008) 3880,4027 3933.86,4027 3934.36,4027.5 3971.07,4027.5 U2.7
  Bottom Layer w10: v1(3572.02,4290) 3573.28,4290 3855.28,4008 v1(3861,4008)
NetR8_1: R8.1 U5.1 | length 196.8
  Top Layer w10: U5.1 3360.59,3764.41 3412.77,3712.23 3431.27,3712.23 R8.1
NetR9_2: R9.2 U5.5 | length 64.8
  Top Layer w15: R9.2 3358.8,4019.7 3358.8,3959.98 U5.5
NetR16_1: R16.1 U3.10 | length 439.5
  Top Layer w10: U3.10 3979.58,2525.82 4186,2732.24 R16.1
NetR17_1: R17.1 U3.11 | length 425.1
  Top Layer w10: U3.11 3952.03,2558.03 4126,2732 R17.1
NetR18_2: R18.2 U3.26 | length 456.6
  Top Layer w10: U3.26 3540.54,2425.89 3540.54,2490.54 3779.25,2729.25 3779.25,2765.75 R18.2
RST: JP4.3 U2.18 | length 127.9
  Top Layer w10: U2.18 3814.84,4268.96 3835,4289.12 JP4.3
RX1: JP1.2 U2.31 | length 1285.2
  Top Layer w10: U2.31 3755.16,4008.16 3785,4038 v1(3787,4038)
  Bottom Layer w10: v1(3787,4038) 3787,4038.28 3557.28,4268 3445,4268 3379,4334 3379,4417 3436,4474 v1(3867,4474)
SCL: R2.1 U1.23 U2.46 | length 304.8
  Top Layer w10: U2.46@3873.55,3855.41 3873.55,3797.45 v1(3893,3778) ; U1.23@3964.47,3588.24 U1.23 v1(3964.47,3660.5)
  Bottom Layer w10: v1(3893,3778) 3893,3737.5 3964.47,3666.03 v1(3964.47,3660.5)
SDA: R1.1 U1.24 U2.45 | length 284.5
  Top Layer w10: v1(3854.21,3777.49) U2.45 ; R1.1@3911.75,3645.25 3944.59,3612.41 3944.59,3588.44 U1.24@3944.79,3588.24
  Bottom Layer w10: v1(3854.21,3777.49) 3854.21,3715.29 v1(3909,3660.5)
SWCLK: U2.37 USB1.3 | length 758.9
  Top Layer w10: v3(3284,3602) 3314.72,3632.72 USB1.3 ; U2.37 3696.73,3900.73 3712,3916 v1(3716,3916)
  Bottom Layer w10: v3(3284,3602) 3335,3653 3373,3653 3478,3758 3478,3815 3579,3916 v1(3716,3916)
SWDIO: U2.34 USB1.2 | length 818.7
  Top Layer w10: v3(3280,3641) 3299.59,3660.59 USB1.2@3359.68,3660.59 ; U2.34 3639.69,3949 3711,3949 3724,3936 v1(3743,3936)
  Bottom Layer w10: v3(3280,3641) 3318,3679 3361,3679 3454.49,3772.49 3454.49,3835.49 3555,3936 v1(3743,3936)
TX1: JP1.3 U2.30 | length 1212.2
  Top Layer w10: U2.30 3742.84,4027.84 v1(3756,4041)
  Bottom Layer w10: v1(3756,4041) 3563,4234 3433,4234 3346,4321 3346,4419 3424,4497 v1(3780,4497)
VBAT: *.2 *.3 E2.1 pad.2 U4.3 U5.3 | length 643.8
  Top Layer w15: v1(3226.09,3980.59) 3286.09,3980.59 *.3 *.2 ; *.2@3315,3949 3358,3906 3401,3906 ; E2.1 3433.19,3800.12 3433.19,3853.62 U5.3 ; U5.3@3435,3855.43 3435,3891 3420,3906 3401,3906 ; U4.3 3462.39,4047.39 3401,3986 3401,3906
VCC: C12.2 E1.1 LED3.1 R7.1 U5.4 USB1.1 | length 1008.5
  Top Layer w15: USB1.1 3249.9,3683.9 3227,3661 3227,3585 3317,3495 E1.1 3414.07,3549.57 3440.5,3576 C12.2 3441,3578 v1(3441,3606) LED3.1 ; U5.4 3439.7,3953.87 3439.7,3937.3 3494,3883 3494.75,3883 3503,3874.75 R7.1 3504,3869.5 3503,3868.5 v1(3503,3745)
  Bottom Layer w15: v1(3441,3606) 3441,3683 v1(3503,3745)
pads on no net: *.0 B1.3 JP2.1 JP2.2 JP2.3 JP3.1 JP3.2 JP3.3 SW1.0 SW2.0 SW3.0 U1.2 U1.3 U1.4 U1.5 U1.6 U1.7 U1.12 U1.14 U1.15 U1.16 U1.17 U1.19 U1.21 U1.22 U2.3 U2.4 U2.11 U2.15 U2.25 U2.26 U2.27 U2.28 U2.29 U2.32 U2.40 U2.42 U2.43 U3.7 U6.1 U6.3 U6.5 U6.6 U6.7 U6.8 U6.9 U6.10 U6.11 U6.12 U6.13 USB1.4 USB1.6
copper on no net: | length 871.7
  Top Layer w10: 4483,3704.77 4503.77,3704.77 v1(4504,3705)
  Bottom Layer w10: 4183.94,2153.15 4183.94,2154.94
  Bottom Layer w23.62: 4504,3421.44 v1(4504,3705) 4504,4270.27

## Polygon pours and split planes (outlines as drawn)
GND on Top Layer "Top Layer-No Net" (solid, pour order 0): 3154.67,2203.09 ccw(c3264.7,2207.5) 3264.7,2097.38 3540.91,2097.38 ccw(c3540.91,2143.57) 3587.1,2143.57 3587.1,2219.28 4078.85,2219.28 4078.85,2143.57 ccw(c4125.05,2143.57) 4125.05,2097.38 4402.93,2097.38 ccw(c4402.93,2205.83) 4511.37,2204.22 ccw(c4502.27,2208.43) 4512.3,2208.43 4512.3,3012.77 ccw(c4403.84,3012.77) 4403.84,3121.23 3954.01,3121.23 3954.01,3154.06 4188.31,3154.06 ccw(c4188.31,3321.57) 4284.39,3184.36 ccw(c4278.63,3192.57) 4284.75,3184.62 ccw(c4278.63,3192.57) 4284.75,3184.62 4284.77,3184.64 ccw(c4278.63,3192.57) 4284.77,3184.64 ccw(c4281.69,3188.6) 4284.78,3184.65 4284.79,3184.65 4495.86,3347.8 ccw(c4444.21,3420) 4501.02,3351.79 ccw(c4444.21,3420) 4501.02,3351.79 ccw(c4444.21,3420) 4501.07,3351.83 ccw(c4444.21,3420) 4501.14,3351.88 4501.07,3351.83 ccw(c4494.85,3359.7) 4501.53,3352.21 ccw(c4444.21,3420) 4532.98,3420 4532.98,4266.46 ccw(c4444.21,4266.46) 4501.27,4334.46 ccw(c4498.05,4330.62) 4501.13,4334.58 ccw(c4497.9,4330.74) 4500.98,4334.7 cw(c4494.83,4326.78) 4501.27,4334.46 4500.98,4334.7 ccw(c4497.9,4330.74) 4500.96,4334.71 ccw(c4497.88,4330.75) 4500.95,4334.72 4500.96,4334.71 ccw(c4497.9,4330.74) 4500.95,4334.72 ccw(c4497.88,4330.75) 4500.95,4334.72 4500.94,4334.72 cw(c4497.89,4330.74) 4500.95,4334.72 4500.94,4334.73 cw(c4497.89,4330.74) 4500.94,4334.72 4284.95,4501.68 4284.89,4501.72 4284.95,4501.68 ccw(c4278.63,4493.88) 4284.39,4502.1 ccw(c4188.31,4364.88) 4188.31,4532.39 3479.65,4532.39 ccw(c3479.65,4364.88) 3383.57,4502.1 ccw(c3389.32,4493.88) 3383.2,4501.83 ccw(c3389.32,4493.88) 3383.18,4501.81 ccw(c3389.32,4493.88) 3383.17,4501.8 3383.18,4501.81 cw(c3386.24,4497.84) 3383.2,4501.83 cw(c3386.26,4497.86) 3383.2,4501.83 ccw(c3386.26,4497.86) 3383.18,4501.81 3383.17,4501.8 3166.97,4334.7 ccw(c3170.03,4330.72) 3166.96,4334.69 3166.97,4334.7 3166.96,4334.69 ccw(c3173.1,4326.76) 3166.42,4334.24 cw(c3223.74,4266.46) 3166.46,4334.27 cw(c3223.74,4266.46) 3166.48,4334.29 3166.42,4334.24 ccw(c3223.74,4266.46) 3134.97,4266.46 3134.97,3420 ccw(c3223.74,3420) 3166.34,3352.28 ccw(c3173.11,3359.69) 3166.98,3351.75 ccw(c3170.04,3355.72) 3166.99,3351.74 3383.19,3184.63 3383.2,3184.62 ccw(c3389.33,3192.56) 3383.87,3184.15 ccw(c3479.65,3321.57) 3479.18,3154.07 ccw(c3479.67,3159.06) 3479.67,3154.04 3714.99,3154.04 3714.99,3121.23 3262.11,3121.23 ccw(c3262.11,3012.77) 3153.66,3012.77 3153.66,2207.5 ccw(c3163.68,2207.5)
GND on Bottom Layer "Top Layer-No Net1" (solid, pour order 1): 3154.67,2203.09 ccw(c3264.7,2207.5) 3264.7,2097.38 3540.91,2097.38 ccw(c3540.91,2143.57) 3587.1,2143.57 3587.1,2219.28 4078.85,2219.28 4078.85,2143.57 ccw(c4125.05,2143.57) 4125.05,2097.38 4402.93,2097.38 ccw(c4402.93,2205.83) 4511.37,2204.22 ccw(c4502.27,2208.43) 4512.3,2208.43 4512.3,3012.77 ccw(c4403.84,3012.77) 4403.84,3121.23 3954.01,3121.23 3954.01,3154.06 4188.31,3154.06 ccw(c4188.31,3321.57) 4284.39,3184.36 ccw(c4278.63,3192.57) 4284.75,3184.62 ccw(c4278.63,3192.57) 4284.75,3184.62 4284.77,3184.64 ccw(c4278.63,3192.57) 4284.77,3184.64 ccw(c4281.69,3188.6) 4284.78,3184.65 4284.79,3184.65 4495.86,3347.8 ccw(c4444.21,3420) 4501.02,3351.79 ccw(c4444.21,3420) 4501.02,3351.79 ccw(c4444.21,3420) 4501.07,3351.83 ccw(c4444.21,3420) 4501.14,3351.88 4501.07,3351.83 ccw(c4494.85,3359.7) 4501.53,3352.21 ccw(c4444.21,3420) 4532.98,3420 4532.98,4266.46 ccw(c4444.21,4266.46) 4501.27,4334.46 ccw(c4498.05,4330.62) 4501.13,4334.58 ccw(c4497.9,4330.74) 4500.98,4334.7 cw(c4494.83,4326.78) 4501.27,4334.46 4500.98,4334.7 ccw(c4497.9,4330.74) 4500.96,4334.71 ccw(c4497.88,4330.75) 4500.95,4334.72 4500.96,4334.71 ccw(c4497.9,4330.74) 4500.95,4334.72 ccw(c4497.88,4330.75) 4500.95,4334.72 4500.94,4334.72 cw(c4497.89,4330.74) 4500.95,4334.72 4500.94,4334.73 cw(c4497.89,4330.74) 4500.94,4334.72 4284.95,4501.68 4284.89,4501.72 4284.95,4501.68 ccw(c4278.63,4493.88) 4284.39,4502.1 ccw(c4188.31,4364.88) 4188.31,4532.39 3479.65,4532.39 ccw(c3479.65,4364.88) 3383.57,4502.1 ccw(c3389.32,4493.88) 3383.2,4501.83 ccw(c3389.32,4493.88) 3383.18,4501.81 ccw(c3389.32,4493.88) 3383.17,4501.8 3383.18,4501.81 cw(c3386.24,4497.84) 3383.2,4501.83 cw(c3386.26,4497.86) 3383.2,4501.83 ccw(c3386.26,4497.86) 3383.18,4501.81 3383.17,4501.8 3166.97,4334.7 ccw(c3170.03,4330.72) 3166.96,4334.69 3166.97,4334.7 3166.96,4334.69 ccw(c3173.1,4326.76) 3166.42,4334.24 cw(c3223.74,4266.46) 3166.46,4334.27 cw(c3223.74,4266.46) 3166.48,4334.29 3166.42,4334.24 ccw(c3223.74,4266.46) 3134.97,4266.46 3134.97,3420 ccw(c3223.74,3420) 3166.34,3352.28 ccw(c3173.11,3359.69) 3166.98,3351.75 ccw(c3170.04,3355.72) 3166.99,3351.74 3383.19,3184.63 3383.2,3184.62 ccw(c3389.33,3192.56) 3383.87,3184.15 ccw(c3479.65,3321.57) 3479.18,3154.07 ccw(c3479.67,3159.06) 3479.67,3154.04 3714.99,3154.04 3714.99,3121.23 3262.11,3121.23 ccw(c3262.11,3012.77) 3153.66,3012.77 3153.66,2207.5 ccw(c3163.68,2207.5)

## Silkscreen, mask and mechanical layers (free items; w line width, h text height)
Top Overlay:
  text "OLED" at 3276,2775 h80
  text "Nwatch v1.0" at 3271,2601 h80
Bottom Overlay:
  text "N-watch" at 4032,4017 h80
  text "V1.1" at 3913.27,3887.02 h80
  text "Designed by" at 4100,3772 h80
  text "HAH" at 3943,3629 h80
Mechanical 1:
  lines w10: 3479.67,3159.06 3720,3159.06 3720,3116.21 3262.11,3116.21 ccw(c3262.11,3012.77) 3158.67,3012.77 3158.67,2207.5 ccw(c3163.68,2207.5) 3159.64,2204.53 ccw(c3264.7,2207.5) 3264.7,2102.39 3540.91,2102.39 ccw(c3540.91,2143.57) 3582.09,2143.57 3582.09,2224.29 4083.87,2224.29 4083.87,2143.57 ccw(c4125.05,2143.57) 4125.05,2102.39 4402.93,2102.39 ccw(c4402.93,2205.83) 4506.37,2205.54 ccw(c4502.27,2208.43) 4507.28,2208.43 4507.28,3012.77 ccw(c4403.84,3012.77) 4403.84,3116.21 3949,3116.21 3949,3159.08 4188.31,3159.08 ccw(c4188.31,3321.57) 4281.51,3188.47 ; 3169.72,4330.46 cw(c3173.1,4326.76) 3170.03,4330.72 3386.24,4497.84 ; 3169.72,4330.46 ccw(c3223.74,4266.46) 3139.99,4266.46 3139.99,3420 ccw(c3223.74,3420) 3169.67,3356.04 ccw(c3173.11,3359.69) 3170.04,3355.72 3386.26,3188.59 ccw(c3389.33,3192.56) 3386.66,3188.32 ccw(c3479.65,3321.57) 3479.61,3159.08 ; 3169.72,4330.46 3169.72,4330.46 ; 3386.26,4497.86 cw(c3389.32,4493.88) 3386.44,4497.99 ; 3386.26,4497.86 ccw(c3389.32,4493.88) 3386.24,4497.84 ; 3386.44,4497.99 cw(c3479.65,4364.88) 3479.65,4527.38 4188.31,4527.38 cw(c4188.31,4364.88) 4281.51,4497.99 ; 3386.44,4497.99 3386.44,4497.99 ; 3479.61,3159.08 ccw(c3479.65,3321.57) 3479.65,3159.08 ; 3479.61,3159.08 ccw(c3479.65,3164.09) 3479.65,3159.08 ; 3479.61,3159.08 3479.65,3159.08 ; 4281.51,3188.47 ccw(c4278.63,3192.57) 4281.69,3188.6 ; 4281.51,3188.47 4281.51,3188.47 ; 4281.51,4497.99 cw(c4278.63,4493.88) 4281.83,4497.75 4497.88,4330.75 ; 4281.51,4497.99 4281.51,4497.99 ; 4281.69,3188.6 ccw(c4278.63,3192.57) 4281.71,3188.61 ; 4281.69,3188.6 4281.71,3188.61 ; 4281.69,3188.6 4281.7,3188.61 ; 4281.7,3188.61 4281.71,3188.61 ; 4281.71,3188.61 4492.87,3351.83 ccw(c4444.21,3420) 4497.92,3355.73 ; 4497.92,3355.73 ccw(c4494.85,3359.7) 4498.23,3355.99 ; 4497.92,3355.73 4497.92,3355.73 ; 4497.9,4330.74 cw(c4494.83,4326.78) 4498.05,4330.62 cw(c4444.21,4266.46) 4527.97,4266.46 4527.97,3420 cw(c4444.21,3420) 4498.23,3355.99 ; 4497.89,4330.74 4497.9,4330.74 ; 4497.88,4330.75 4497.89,4330.74 ; 4498.23,3355.99 4498.23,3355.99 ; 3460,3242.63 cw(c3460,3282) 3460,3321.37 4208.03,3321.37 cw(c4208.03,3282) 4208.03,3242.63 3460,3242.63 ; 3460,4364.63 cw(c3460,4404) 3460,4443.37 4208.03,4443.37 cw(c4208.03,4404) 4208.03,4364.63 3460,4364.63